# Altium PCB V1-PCB-illumination.PcbDoc (continued)
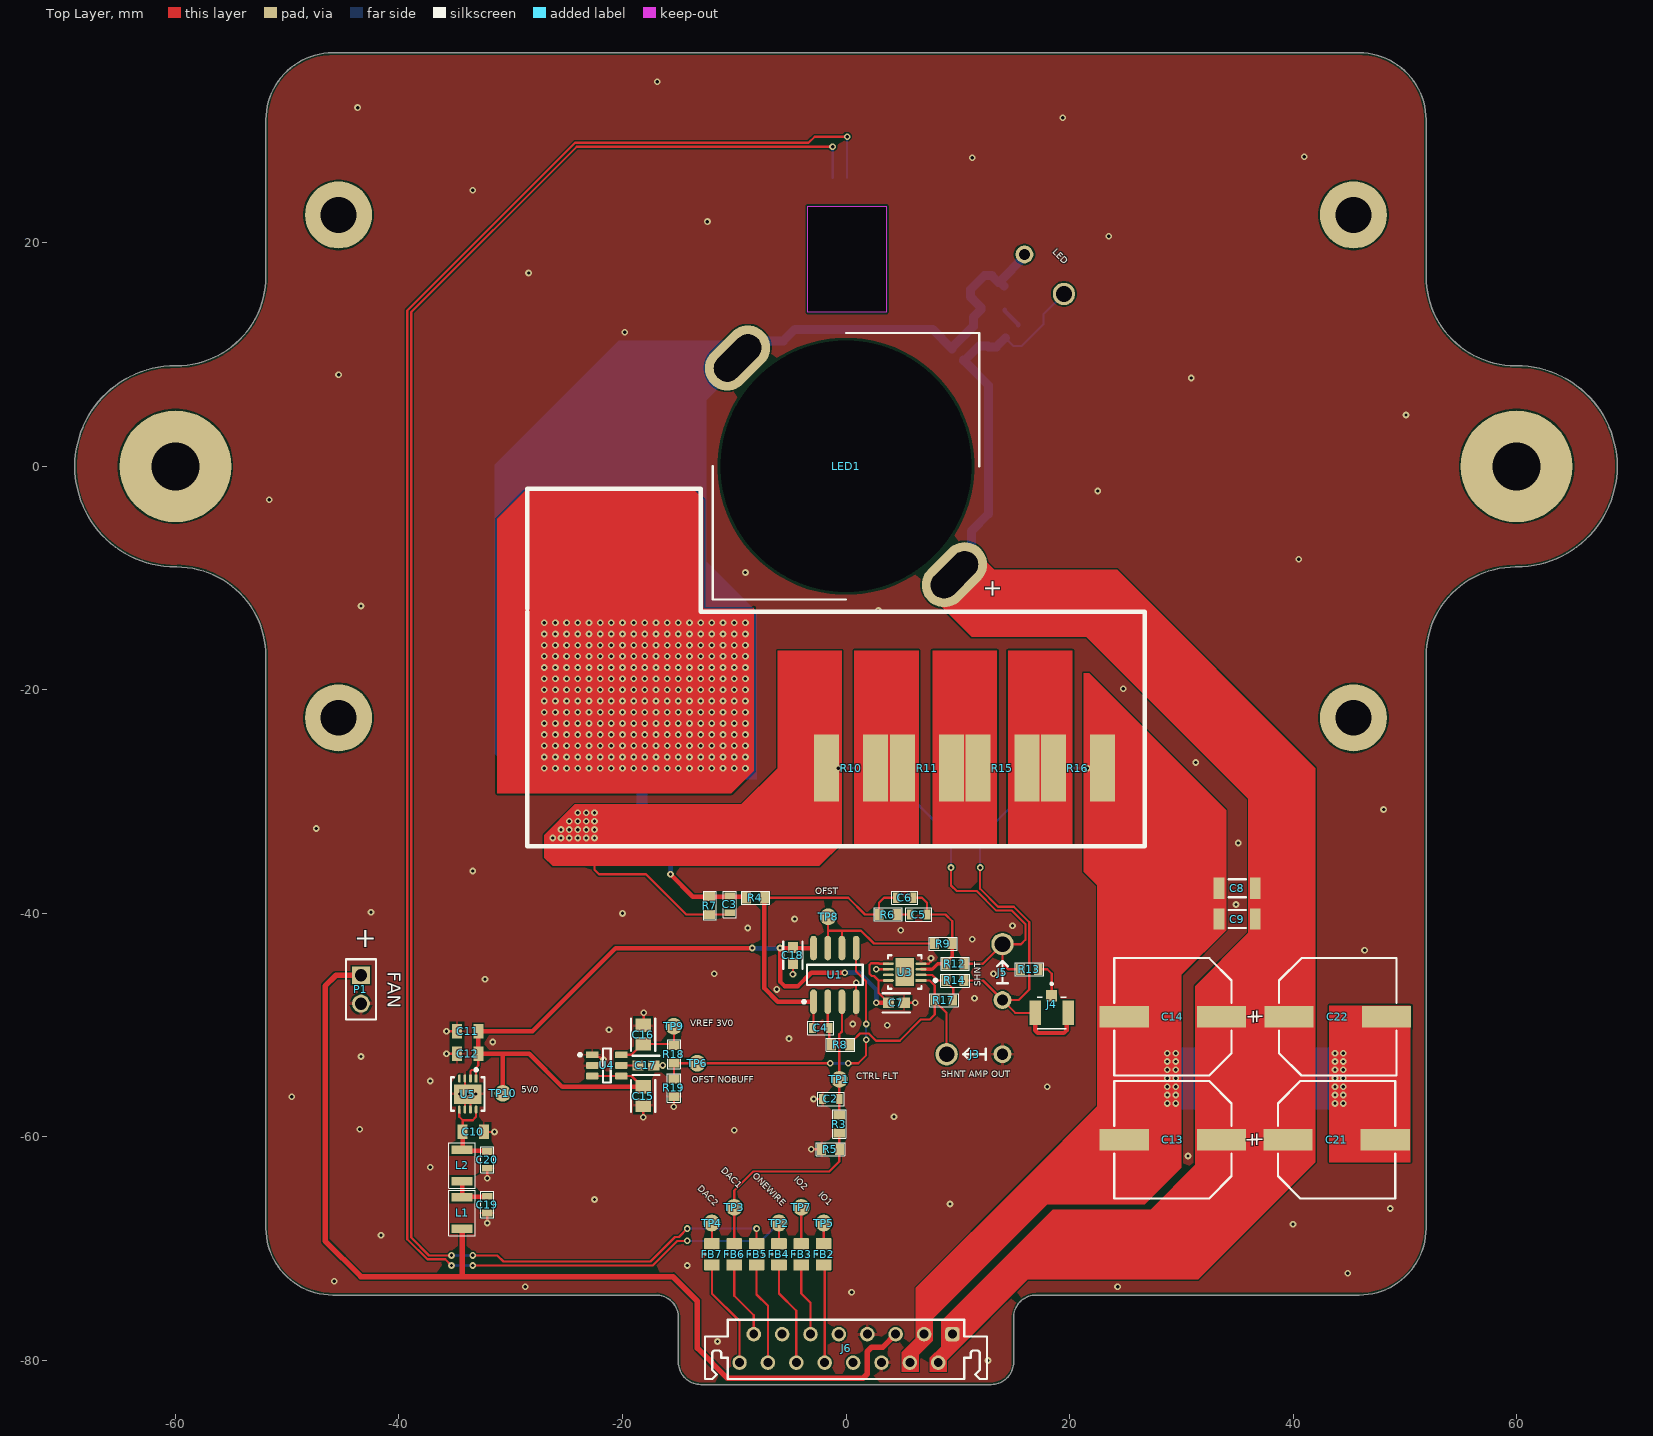
[diagram p0: Top Layer view]
## Footprints (in the part's own frame and the unit in brackets; to place one, negate y for a bottom-side part, rotate by r counter-clockwise, add the part's x,y. Pads: shape width x height; smd on the part's side, far side on the other; paste and mask are expansions set on the pad)
61300211121 [mm] "Pin Header, pitch 2.54 mm, THT, Vertical, single row, 2p"
  rect 1.6x1.6 hole 1.1: 1(-1.27,0)
  round 1.6 hole 1.1: 2(1.27,0)
  silkscreen extent -2.69,-1.35 2.69,1.35, body extent -2.54,-1.27 2.54,1.27, height 8.57
690368191672 [mm] "MiniModule Connectors, PCB Type, Female, THT, Angled, 16p"
  rrect50% 1.3x1.3 hole 0.8: 1(9.525,1.35)
  round 1.3 hole 0.8: 2(8.255,-1.19) 3(6.985,1.35) 4(5.715,-1.19) 5(4.445,1.35) 6(3.175,-1.19) 7(1.905,1.35) 8(0.635,-1.19) 9(-0.635,1.35) 10(-1.905,-1.19) 11(-3.175,1.35) 12(-4.445,-1.19) 13(-5.715,1.35) 14(-6.985,-1.19) 15(-8.255,1.35) 16(-9.525,-1.19)
  silkscreen extent -12.61,-2.65 12.61,2.65, body extent -12.46,-2.5 12.46,2.5, height 5.85
CXA2530-SolderMount [mm] "Shine-htrough-PCB mount for Cree CXA2530"
  round 0 hole 22.5 unplated paste-2539.97: HOLE(0,0)
  oval 6.6x4 hole 2.4 slot 5 at 135 deg rot 135 paste-2539.97: NEG(-9.7,-9.7) POS(9.7,9.7)
  silkscreen extent -11.93,-11.93 11.93,11.93, body extent -11.93,-11.93 11.93,11.93, height 1.25
FP-885012206095-IPC_B [mm]
  rect 1.009x0.912 smd paste+0 mask+0: 1(-0.702,0) 2(0.702,0)
  silkscreen extent -1.21,-0.86 1.21,0.86, body extent -0.8,-0.4 0.8,0.4, height 0.87
FP-885012207078-IPC_B [mm]
  rect 1.206x1.362 smd paste+0 mask+0: 1(-0.826,0) 2(0.826,0)
  silkscreen extent -1.43,-1.08 1.43,1.08, body extent -1.68,-0.93 1.68,0.93, height 0.25
FP-885012208094-IPC_B [mil]
  rect 37.59x75.05 smd paste+0 mask+0: 1(-64,0) 2(64,0)
  silkscreen extent -30,-31 30,31, body extent -93,-47 93,47, height 10
FP-CP-8-5-IPC_C [mm]
  rect 0.736x0.239 smd paste+0 mask+0: 1(-1.388,0.75)
  rrect100% 0.736x0.239 smd paste+0 mask+0: 2(-1.388,0.25) 3(-1.388,-0.25) 4(-1.388,-0.75) 5(1.388,-0.75) 6(1.388,-0.25) 7(1.388,0.25) 8(1.388,0.75)
  rect 1.74x2.48 smd paste-1000 mask+0: 9(0,0)
  silkscreen extent -2.28,-1.5 1.5,1.5, body extent -1.86,-1.6 1.86,1.6, height 0.25
FP-DBV0006A-MFG [mm]
  rrect17% 1.1x0.6 smd paste+0 mask+0: 1(-1.3,0.95) 2(-1.3,0) 3(-1.3,-0.95) 4(1.3,-0.95) 5(1.3,0) 6(1.3,0.95)
  silkscreen extent -2.52,-1.53 0.35,1.53, body extent -1.95,-1.78 1.95,1.78, height 0.25
FP-DD-8-05-08-1698-IPC_A [mm]
  rect 0.981x0.242 smd paste+0 mask+0: 1(-1.466,0.75)
  rrect100% 0.981x0.242 smd paste+0 mask+0: 2(-1.466,0.25) 3(-1.466,-0.25) 4(-1.466,-0.75) 5(1.466,-0.75) 6(1.466,-0.25) 7(1.466,0.25) 8(1.466,0.75)
  rect 1.65x2.48 smd paste-1000 mask+0: 9(0,0)
  silkscreen extent -2.88,-1.5 1.5,1.5, body extent -2.46,-2 2.46,2, height 0.25
FP-PG-TO263-3-MFG [mm]
  rect 2.08x3.81 smd paste+0 mask+0: 1(-2.54,-6.985) 3(2.54,-6.985)
  rect 11.43x8.89 smd paste+0 mask+0: 4(0,4.445)
  silkscreen extent -5.34,-3.36 5.34,-0.38, body extent -5.08,-7.66 5.08,7.59, height 5.09
FPR_0603_C_R0 [mm] "SMD Reflow"
  rect 0.6x0.9 smd: 1(-0.75,0) 2(0.75,0)
  silkscreen extent -1.18,-0.6 1.18,0.6, body extent -0.8,-0.4 0.8,0.4, height 0.32
FPR_0603_R_R0 [mm] "SMD Reflow"
  rect 0.8x1 smd: 1(-0.8,0) 2(0.8,0)
  silkscreen extent -1.28,-0.58 1.29,0.58, body extent -0.8,-0.41 0.8,0.41, height 0.47
FPR_1216_R_R0 [mil] "SMD Reflow"
  rect 30x75 smd: 1(-55,0) 2(55,0)
  silkscreen extent -80,-47 80,47, body extent -63,-32 63,31, height 40
FPR_CRF2512_R0-endToEnd [mm] "CRF2512 2W"
  rect 2.25x6 smd: 1(-2.2,0) 2(2.2,0)
  body extent -3.2,-1.6 3.2,1.6, height 0.61
LINX_CONUFL001-SMD-T [mm]
  rect 1x1.05 smd: 1(0,-1.525)
  rect 1.05x2.2 smd: 2(-1.475,0) 3(1.475,0)
  silkscreen extent -1.3,-2.7 1.3,1.42, body extent -1.5,-1.55 1.5,1.55, height 1.3
LT-S8-8_N [mm] "SOIC, 8-Leads, Body 4.9x3.9mm, Pitch 1.27mm, IPC Medium Density"
  oval 2.2x0.6 smd: 1(-2.4,1.905) 2(-2.4,0.635) 3(-2.4,-0.635) 4(-2.4,-1.905) 5(2.4,-1.905) 6(2.4,-0.635) 7(2.4,0.635) 8(2.4,1.905)
  silkscreen extent -2.52,-2.5 0.9,2.88, body extent -2,-2.5 2,2.5, height 1.76
"scope with ground spring probe point" [mm]
  round 1.6 hole 1 paste-2539.97: NEG(0,-5)
  round 2 hole 1.4 paste-2539.97: POS(0,0)
  silkscreen extent -0.5,-3.5 0.5,-1.5
SMD_0805 [mm] "Chip 2-Leads, Body 2.05x1.25mm, IPC Medium Density"
  rrect15% 1x1.4 smd: 1(-0.95,0) 2(0.95,0)
  silkscreen extent -0.05,-0.6 0.05,0.6, body extent -1.1,-0.7 1.1,0.7, height 0.8
"Test Point 1.5mm SMD" [mm] "1.5mm circle SMD test point"
  round 1.5 smd paste-2539.97: 1(0,0)
"to-92 horiyontal boardhole" [mm]
  rect 4x0.5 smd far side paste-2539.97: 1(8,-1.27) 2(8,0) 3(8,1.27)
  Keep-Out Layer board cut-out: -4,3.5 5.461,3.5 5.461,-3.5 -4,-3.5
  body extent -3.82,-2.41 14.22,2.41, height 0.59
WCAP-ASLL_D10H10.5 [mm] "Aluminium Electrolytic V-Chip SMT Capacitors, 10x10.5mm"
  rect 4.4x1.9 smd: 1(4.35,0) 2(-4.35,0)
  silkscreen extent -5.25,-5.25 5.25,5.25, body extent -5.5,-5.15 5.5,5.15, height 10.5
WCAP-CSGP_0805_L2W1.25H1.25 [mm] "Ceramic Capacitors, body 2x1.25mm"
  rect 0.9x1.3 smd: 1(-0.95,0) 2(0.95,0)
  body extent -1,-0.63 1,0.63, height 1.25

## Part data
C1 C7 C17 C18: library part CMP-207839-000004-1, "CAP CER 0.1UF 50V X7R 0603", Capacitance=100nF, Case Code (Imperial)=0603, Case Code (Metric)=1608, Dielectric=X7R, Max Operating Temperature=125°C, Min Operating Temperature=-55°C, Tolerance=10%, Voltage Rating=50V, Case/Package=0603, Length=0.063inch, Mount="Surface Mount", Packaging="Cut Tape", RoHS Compliant=Yes, Series=WCAP-CSGP, Thickness=0.037inch, Voltage Rating (DC)=50V, Width=0.031inch
C2 C3 C4 C5 C6 C19 C20: library part C, "Capacitor - generic SMD"
C8 C9: library part CMP-207839-000019-1, "CAP CER 4.7UF 50V X7R 1206", Capacitance=4.7uF, Case Code (Imperial)=1206, Case Code (Metric)=3216, Dielectric=X7R, Max Operating Temperature=125°C, Min Operating Temperature=-55°C, Tolerance=10%, Voltage Rating=50V, Case/Package=1206, Length=0.126inch, Mount="Surface Mount", Packaging="Cut Tape", RoHS Compliant=Yes, Series=WCAP-CSGP, Thickness=0.075inch, Voltage Rating (DC)=50V, Width=0.063inch
C10 C11 C12: "WCAP-CSGP Multilayer Ceramic Chip Capacitor, General Purpose, size 0805, X5R, 4.7µF, 25VDC", Capacitance=4.7µF, Capacitance Tolerance=+/-20%, Case/Size Code=0805, Insulation Resistance=0.02GΩ, Manufacturer="Wurth Elektronik", Operating Temperature Max=85°C, Operating Temperature Min=-55°C, Rated Voltage (DC)=25V, Category="Multilayer Ceramic Chip Capacitors", Ceramic Type=X5R, ComponentLink1Description="Website Link", ComponentLink1URL=https://www.we-online.com/redexpert/article/885012107018?ad, ComponentLink2Description="Datasheet Link", ComponentLink2URL=https://www.we-online.com/redexpert/spec/885012107018?ad, Dissipation Factor=10%, Height=1.25mm, Length=2mm, Manufacturer Part Number=885012107018, Match Code=WCAP-CSGP, Mount="Surface Mount", Packaging="Tape and Reel", Technical Reference=X5R0805475M025DFCT10000, Width=1.25mm
C13 C14 C21 C22: "WCAP-ASLL Aluminum Electrolytic Capacitor, V-Chip, D10 x H10.5mm, 150µF, 50V", Capacitance=150uF, Capacitance Tolerance=+/-20%, Leakage Current=75uA, Manufacturer="Wurth Elektronik", Operating Temperature Max=105°C, Operating Temperature Min=-55°C, Rated Voltage (DC)=50V, Ripple Current=555mA, Category="Aluminum Electrolytic Capacitors", ComponentLink1Description="Website Link", ComponentLink1URL=https://www.we-online.com/redexpert/article/865060657011?ad, ComponentLink2Description="Datasheet Link", ComponentLink2URL=https://www.we-online.com/redexpert/spec/865060657011?ad, Diameter=10mm, Dissipation Factor=12%, Endurance=5000h, Height=10.5mm, Manufacturer Part Number=865060657011, Match Code=WCAP-ASLL, Mount="Surface Mount", Packaging="Tape and Reel", Technical Reference=ASEF105151M050DVCTEE000
C15 C16: library part CMP-207839-000010-1, "CAP CER 1UF 25V X7R 0805", Capacitance=1uF, Case Code (Imperial)=0805, Case Code (Metric)=2012, Dielectric=X7R, Max Operating Temperature=125°C, Min Operating Temperature=-55°C, Tolerance=10%, Voltage Rating=25V, Case/Package=0805, Length=0.079inch, Mount="Surface Mount", Packaging="Cut Tape", RoHS Compliant=Yes, Series=WCAP-CSGP, Thickness=0.053inch, Voltage Rating (DC)=25V, Width=0.049inch
FB2 FB3 FB4 FB5 FB6 FB7: library part BLM21AG121SN1D, "Ferrite Bead, 0805 [2012 Metric], 120 ohm, 800 mA, BLM21A Series, 0.15 ohm, ± 25%", AC resistance=120Ω, Case=0805, DC resistance=0.15Ω, Frequency=100MHz, Manufacturer=Murata, Max current=0.2A, Category="ferite beads", Dealer=Farnell, Dealer number=1515617, HelpURL=https://www.farnell.com/datasheets/1914683.pdf, Manufacturer Number=BLM21AG121SN1D, Price=0.082, Technology=SMT
J2 J4: "U.FL (UMCC) Connector Jack, Male Pin 50Ohm Surface Mount Solder", Package=None, Availability=Unavailable, Check_prices=https://www.snapeda.com/parts/CONUFL001-SMD-T/Linx/view-part/?ref=eda, DNP=DNP, MF=Linx, MP=CONUFL001-SMD-T, Price=None, SnapEDA_Link=https://www.snapeda.com/parts/CONUFL001-SMD-T/Linx/view-part/?ref=snap
J6: "WR-MM Mini Module Connector, Female, THT, with Latch & Polarization, Angled, pitch 2.54mm, 16p", Contact Resistance=10mΩ, Insulation Resistance=1000MΩ, Manufacturer="Wurth Elektronik", Operating Temperature Max=105°C, Operating Temperature Min=-40°C, Rated Current=1.5A, Withstanding Voltage=500VAC, Working Voltage=250VAC, Category="Board-to-Board Connectors", ComponentLink1Description="Website Link", ComponentLink1URL=https://www.we-online.com/redexpert/article/690368191672?ad, ComponentLink2Description="Datasheet Link", ComponentLink2URL=https://www.we-online.com/redexpert/spec/690368191672?ad, Gender=Female, Length=24.92mm, Manufacturer Part Number=690368191672, Match Code=WR-MM, Mount="Through Hole", Number of Pins=16, Orientation=Angled, Packaging=Tube, Pitch=2.54mm
L1 L2: library part L, "Inductor - generic SMD"
LED1: library part "CREE CXA2530", "High power LED"
P1: library part CMP-1712-00002-4, "THT Vertical Pin Header WR-PHD, Pitch 2.54 mm, Single Row, 2 pins", Contact Resistance=20mOhm, Manufacturer="Wurth Elektronik", Operating Temperature=-40to105degC, Rated Current=3A, Withstanding Voltage=500VAC, Working Voltage=250VAC, Datasheet URL=https://katalog.we-online.de/em/datasheet/6130xx11121.pdf, Gender=Male, Manufacturer URL=http://www.we-online.de, Mounting Technology=THT, Orientation=Vertical, Package Reference=61300211121, Packaging=Bag, Part Number=61300211121, Pin Number=2, Pitch=2.54mm, Publisher=WurthElektronik, Row Number=Single
Q1: library part CMP-32901-000287-1, "MOSFET N-CH 55V 89A D2PAK", Case/Package=D2PAK, Continuous Drain Current (ID)=89A, Drain to Source Breakdown Voltage=55V, Drain to Source Resistance=18mR, Gate to Source Voltage (Vgs)=16V, Input Capacitance=3.6nF, Max Operating Temperature=175°C, Max Power Dissipation=3.8W, Min Operating Temperature=-55°C, Power Dissipation=170W, Contact Plating=Tin, Drain to Source Voltage (Vdss)=55V, Element Configuration=Single, Halogen Free="Halogen Free", Height=0.185inch, Lead Free="Contains Lead", Length=0.42inch, Max Dual Supply Voltage=55V, Mount="Surface Mount", Number of Pins=3, Packaging="Tape and Reel", Rds On Max=10mR, REACH SVHC="No SVHC", Rise Time=140ns, RoHS Compliant=Yes, Threshold Voltage=16V, Turn-Off Delay Time=37ns, Turn-On Delay Time=12ns, Width=0.38inch
R1 R2 R3 R4 R5 R6 R7 R8 R10 R11 R13 R15 R16: library part R, "Resistor - generic SMD"
  R1 R13: DNP=DNP
R9 R12 R14 R17 R18 R19: library part R, "Resistor - generic SMD", Tolerance="0.1% 10ppm/C"
U1: library part CMP-0359-03435-2, "Dual Channel, Zero-Drift Operational Amplifier, 3 MHz Typical GBW, 2 V/us Typical SR, 2.7 to 6 V, 8-Pin SOIC (S8-8), Commercial, Pb-Free", Linear Technology Part Number=LTC2051, Manufacturer="Linear Technology", Channels (#)=2, ComponentLink1Description="Manufacturer URL", ComponentLink1URL=http://www.linear.com/, ComponentLink2Description=Datasheet, ComponentLink2URL=http://cds.linear.com/docs/en/datasheet/20512fd.pdf, ComponentLink3Description="Package Specification", ComponentLink3URL=http://cds.linear.com/docs/en/packaging/05081610_G_SO8.pdf, DatasheetVersion="Rev. D", GBW (MHz) Typical=3, Is (mA) Typical=0.85, Mounting Technology="Surface Mount", PackageDescription="8-Pin Plastic Small Outline, Body 4.9 x 3.9 mm, Pitch 1.27 mm", PackageReference=LT-S8-8, PackageVersion="Rev G", PartNumber=LTC2051CS8#PBF, RevisionNote="URLs updated", RoHS=Pb-Free, SR (V/us) Typical=2, Type=ZD, Vos (mV) Typical=0.0005, Vs Max (V)=6, Vs Min (V)=2.7
U2: library part CMP-0253-00003-1, "Programmable Resolution Digital Thermometer, 1-Wire Interface, ±0.5°C Accuracy, 3-Pin TO92, -55°C to +125°C, Pb-Free", Code_JEDEC=TO-226-AA, ComponentLink1Description="Manufacturer URL", ComponentLink1URL=http://www.maxim-ic.com, ComponentLink2Description=Datasheet, ComponentLink2URL=http://datasheets.maxim-ic.com/en/ds/DS18B20.pdf, DatasheetVersion=2007, PackageDescription="TO-92 Package, Body Dia. 4.7mm; Leads 0.51 x 0.51 mm (max), Pb-Free", PackageReference=Q3+1, PackageVersion="revB, 2009"
U3: library part CMP-09116-000458-1, "IC CMOS 2 CIRCUIT 8DFN", Case/Package=DFN, Dual Supply Voltage=5V, Input Bias Current=1pA, Input Offset Voltage (Vos)=100uV, Max Dual Supply Voltage=5.25V, Max Operating Temperature=70°C, Max Supply Voltage=10.5V, Min Dual Supply Voltage=1.4V, Min Operating Temperature=0°C, Min Supply Voltage=2.8V, Operating Supply Current=7mA, Output Current per Channel=55mA, Package Quantity=121, Power Supply Rejection Ratio (PSRR)=75dB, Voltage Gain=127.96dB, Amplifier Type="GENERAL PURPOSE", Common Mode Rejection Ratio=74dB, Gain Bandwidth Product=50MHz, Lead Free="Lead Free", Mount="Surface Mount", Number of Circuits=2, Number of Elements=2, Number of Pins=8, Packaging=Rail/Tube, RoHS Compliant=Yes, Series=-, Slew Rate=40V/µs, Technology=CMOS, Unity Gain Bandwidth Product=50MHz
U4: library part CMP-04916-000061-1, "650-NA QUIESCENT CURRENT, 12-PPM, 3V out"
U5: library part CMP-09138-000117-1, "IC REG LINEAR 5V 500MA 8LFCSP", Dropout Voltage=350mV, Max Input Voltage=20V, Max Operating Temperature=125°C, Max Output Current=500mA, Max Output Voltage=19V, Max Supply Current=900uA, Min Current Limit=625mA, Min Input Voltage=3.3V, Min Operating Temperature=-40°C, Min Output Voltage=1.22V, Operating Supply Current=900mA, Output Voltage=5V, Package Quantity=1500, Power Supply Rejection Ratio (PSRR)=50dB, Reference Voltage=1.23V, Accuracy=0.8%, Contact Plating=Tin, Lead Free="Contains Lead", Mount="Surface Mount", Number of Outputs=1, Number of Pins=8, Number of Regulators=1, Output Current=500mA, Output Type=Fixed, Packaging="Tape and Reel", Polarity=Positive, Quiescent Current=900uA, RoHS Compliant=Yes

## Free pads (board coordinates)
  round 6 hole 3.2 paste-2539.97: MNTH1(-45.4,22.5) MNTH2(-45.4,-22.5) MNTH3(45.4,-22.5) MNTH4(45.4,22.5)
  round 10 hole 4.3 paste-2539.97: MNTL(-60,0) MNTR(60,0)

## Via types
v1: diameter 0.6, hole 0.3, Top Layer to Bottom Layer, tented both sides, 421 vias

## Nets (pads, with @x,y where several pads share a name; then routed paths per layer and width w, separated by ;. In a path a pad name is that pad's centre, name@x,y a point inside that pad or via, vN(x,y) a via of type N, cw(c..) or ccw(c..) an arc to the next point about the centre after c; other vN are vias at no path point)
+3V3-MCU-SPLY: FB5.1 U2.3 | length 163.8
  Top Layer w0.2: v1(-35.3,-70.6) -37.3,-70.6 -38.9,-69 -38.9,13.8 -24.1,28.6 v1(-1.2,28.6) ; v1(-33.4,-70.6) -31.2,-70.6 -30.65,-71.15 -17.5,-71.15 -15.3,-68.95 -14.95,-68.95 v1(-14.2,-68.2) ; FB5.1 v1(-8,-68.2)
  Bottom Layer w0.2: v1(-35.3,-70.6) v1(-33.4,-70.6) ; v1(-14.2,-68.2) v1(-8,-68.2) ; v1(-1.2,28.6) -1.185,28.585 -1.185,25.815 U2.3
+5V0-LEDDRIVER: C7.1 C11.2 C12.2 C15.1 C18.1 TP10.1 U1.8 U3.5 U3.8 U4.3 U4.4 U5.1 U5.2 | length 85.1
  Top Layer w0.2: U5.2 -33.6,-54.117 -33.483,-54 -33.1,-54 ; U5.1 -33.1,-54 ; C12.2 -32.9,-53.6 -33.1,-53.8 -33.1,-54 ; U4.3 U4.4 -19.202,-54.55 C15.1@-18.228,-55.524 ; C18.1 C18.1@-4.698,-43.1 ; C7.1@3.75,-48 3.394,-47.644 3.394,-47.596 2.9,-47.102 2.9,-46 ; U3.8 2.9,-46 ; U3.5 2.978,-44.5 2.928,-44.45 2.267,-44.45 2.1,-44.617 2.1,-45.4 2.3,-45.6 2.5,-45.6 2.9,-46
  Top Layer w0.4: TP10.1 -30.7,-52.625 -30.625,-52.55 ; C15.1 -18.228,-55.524 -25.376,-55.524 -28.35,-52.55 -30.625,-52.55 ; v1(-8.4,-43.1) -20.6,-43.1 -28.05,-50.55 C11.2 C12.2 -30.625,-52.55 ; U1.8 -4.698,-43.1 v1(-5.9,-43.1) -5.9,-46.1 -5.5,-46.5 -4.3,-46.5 -3.1,-45.3 v1(-0.1,-45.3) ; v1(2.7,-48) 3.75,-48 C7.1
  Bottom Layer w0.4: v1(-8.4,-43.1) v1(-5.9,-43.1) ; v1(-0.1,-45.3) 1.2,-45.3 2.7,-46.8 v1(2.7,-48)
+12V0-NOFILTER: J6.5 L1.1 P1.1 | length 92.1
  Top Layer w0.5: P1.1 -45.63,-45.53 -46.6,-46.5 -46.6,-69.3 -43.4,-72.5 -34.35,-72.5 ; L1.1 -34.35,-72.5 ; J6.5 3.295,-78.8 2.3,-78.8 1.9,-79.2 1.9,-81.2 1.5,-81.6 -10.6,-81.6 -13.3,-78.9 -13.3,-74.7 -15.5,-72.5 -34.35,-72.5
+MAIN-PWR-IN: C1.1 C8.1 C9.1 C13.1 C14.1 C21.1 C22.1 J1.POS J6.1 J6.2 LED1.POS R1.2 R2.2 | length 34
  Bottom Layer w0.2: R1.2 14.969,10.775 15.725,10.775 17.675,12.725 17.675,13.6 J1.POS
  Bottom Layer w0.8: LED1.POS 11.232,-8.168 11.232,-5.768 12.75,-4.25 12.75,7.25 C1.1@10.526,9.474 ; C1.1 C1.1@10.526,9.474 ; R1.2 13.459,10.684 12.757,10.684 12.686,10.755 11.886,10.755 R2.2 10.605,9.474 C1.1@10.526,9.474
GND: C2.2 C7.2 C10.1 C11.1 C12.1 C15.2 C16.2 C17.2 C18.2 C19.1 C20.1 J3.NEG J6.6 J6.7 P1.2 R5.1 R19.2 U1.4 U2.1 U3.4 U3.6 U4.1 U4.2 U5.3 U5.6 U5.7 U5.9 | length 24.6
  Top Layer w0.2: v1(-35.75,-52.55) C12.1 ; v1(-35.75,-50.55) C11.1 ; v1(-34.562,-56.162) v1(-33.85,-56.162) ; U5.6 -34.1,-56.412 v1(-33.85,-56.162) ; U5.3 -34.1,-55.912 v1(-33.85,-56.162) ; U5.7 -33.6,-56.412 v1(-33.85,-56.162) ; v1(-33.138,-56.162) v1(-33.85,-56.162) ; C10.1 v1(-31.45,-59.55) ; v1(-32.1,-67.7) C19.1 ; v1(-32.1,-63.7) C20.1 ; U4.2 -22.5,-53.4 -22,-53.4 v1(-21.7,-53.1) -21.808,-53.1 -22.058,-52.85 -22.5,-52.85 U4.1 ; v1(-18.15,-58.25) C15.2 ; C16.2 -18.1,-49.974 v1(-18.1,-48.9) ; C17.2 v1(-16.4,-53.6) ; v1(-15.4,-57.3) R19.2 ; v1(-4.75,-45.45) C18.2 ; v1(-3.1,-61.1) R5.1 ; v1(-2.9,-56.6) C2.2 ; U1.4 v1(0.905,-46.205) ; v1(2.7,-45) U3.6 ; C7.2 v1(6.2,-48) ; U3.4 7.4,-44.5 7.6,-44.3 v1(7.6,-44)
  other v1: 12.7,-80 -11.5,-78.3 0.5,-73.9 -28.7,-73.4 24.3,-73.4 -45.8,-72.9 44.9,-72.2 -14.2,-71.5 -41.6,-68.8 40,-67.8 48.7,-66.4 9.3,-66 -22.5,-65.6 -37.2,-62.7 30.6,-61.7 -10,-59.4 -43.5,-59.3 4.3,-58.2 -49.6,-56.4 18,-55.5 -37.2,-55 -43.4,-52.8 -31.6,-51.5 -5.1,-51.2 -21.2,-50.4 3.7,-50 0.6,-49.9 11.5,-47.6 -6.2,-46.8 -32.3,-45.9 -11.8,-45.4 13.2,-45.4 46.4,-43.3 11.3,-42.3 4.9,-41.5 -8.8,-41.3 14.9,-41.1 -4.6,-40.5 -20,-40 -42.5,-39.9 34.9,-39.2 -33.4,-36.2 35.1,-33.7 -47.4,-32.4 48.1,-30.7 31.3,-26.5 24.8,-19.9 2.9,-12.9 -43.4,-12.5 -9,-9.5 40.5,-8.3 -51.6,-3 22.525,-2.2 50.1,4.6 30.9,7.9 -45.4,8.2 -19.8,12 -28.4,17.3 23.5,20.6 -12.4,21.9 -33.4,24.7 11.3,27.6 41,27.7 19.4,31.2 -43.7,32.1 -16.9,34.4
LEDDRV-DAC-CTRL-1: FB6.2 R3.2 R5.2 TP3.1 | length 17.8
  Top Layer w0.2: FB6.2 TP3.1 -10,-64.8 -8.3,-63.1 -1.5,-63.1 -0.6,-62.2 R5.2 R3.2
LEDDRV-DAC-CTRL-2: FB7.1 TP4.1 | length 1.9
  Top Layer w0.2: FB7.1 TP4.1
LEDDRV-GPIO-1: FB2.1 TP5.1 | length 1.9
  Top Layer w0.2: FB2.1 TP5.1
LEDDRV-GPIO-2: FB3.2 TP7.1 | length 3.3
  Top Layer w0.2: FB3.2 TP7.1
NetC1_2: C1.2 J1.NEG J2.2 J2.3 LED1.NEG Q1.4 R2.1 | length 54
  Bottom Layer w0.8: v1(-18,-27) v1(-18,-26) v1(-18,-25) v1(-18,-24) v1(-18,-23) v1(-18,-22) v1(-18,-21) ; LED1.NEG -8.168,11.232 -5.598,11.232 -4.579,12.25 7.75,12.25 C1.2@9.474,10.526 ; C1.2 C1.2@9.474,10.526 ; J2.2@13.841,16.621 15.964,18.744 J1.NEG ; J2.2 13.841,16.444 13.664,16.444 13.048,17.06 12.385,17.06 11.156,15.831 11.156,15.169 11.354,14.971 11.354,14.936 12.075,14.215 12.075,14.025 11.4,13.35 11.4,12.531 R2.1 9.474,10.605 C1.2@9.474,10.526
  Bottom Layer w1: -18.25,-34 Q1.4
  Bottom Layer w1.2: v1(-18,-27) v1@-17.85,-27.15
  other v1: -27,-27 -26,-27 -25,-27 -24,-27 -23,-27 -22,-27 -21,-27 -20,-27 -19,-27 -17,-27 -16,-27 -15,-27 -14,-27 -13,-27 -12,-27 -11,-27 -10,-27 -9,-27 -27,-26 -26,-26 -25,-26 -24,-26 -23,-26 -22,-26 -21,-26 -20,-26 -19,-26 -17,-26 -16,-26 -15,-26 -14,-26 -13,-26 -12,-26 -11,-26 -10,-26 -9,-26 -27,-25 -26,-25 -25,-25 -24,-25 -23,-25 -22,-25 -21,-25 -20,-25 -19,-25 -17,-25 -16,-25 -15,-25 -14,-25 -13,-25 -12,-25 -11,-25 -10,-25 -9,-25 -27,-24 -26,-24 -25,-24 -24,-24 -23,-24 -22,-24 -21,-24 -20,-24 -19,-24 -17,-24 -16,-24 -15,-24 -14,-24 -13,-24 -12,-24 -11,-24 -10,-24 -9,-24 -27,-23 -26,-23 -25,-23 -24,-23 -23,-23 -22,-23 -21,-23 -20,-23 -19,-23 -17,-23 -16,-23 -15,-23 -14,-23 -13,-23 -12,-23 -11,-23 -10,-23 -9,-23 -27,-22 -26,-22 -25,-22 -24,-22 -23,-22 -22,-22 -21,-22 -20,-22 -19,-22 -17,-22 -16,-22 -15,-22 -14,-22 -13,-22 -12,-22 -11,-22 -10,-22 -9,-22 -27,-21 -26,-21 -25,-21 -24,-21 -23,-21 -22,-21 -21,-21 -20,-21 -19,-21 -17,-21 -16,-21 -15,-21 -14,-21 -13,-21 -12,-21 -11,-21 -10,-21 -9,-21 -27,-20 -26,-20 -25,-20 -24,-20 -23,-20 -22,-20 -21,-20 -20,-20 -19,-20 -18,-20 -17,-20 -16,-20 -15,-20 -14,-20 -13,-20 -12,-20 -11,-20 -10,-20 -9,-20 -27,-19 -26,-19 -25,-19 -24,-19 -23,-19 -22,-19 -21,-19 -20,-19 -19,-19 -18,-19 -17,-19 -16,-19 -15,-19 -14,-19 -13,-19 -12,-19 -11,-19 -10,-19 -9,-19 -27,-18 -26,-18 -25,-18 -24,-18 -23,-18 -22,-18 -21,-18 -20,-18 -19,-18 -18,-18 -17,-18 -16,-18 -15,-18 -14,-18 -13,-18 -12,-18 -11,-18 -10,-18 -9,-18 -27,-17 -26,-17 -25,-17 -24,-17 -23,-17 -22,-17 -21,-17 -20,-17 -19,-17 -18,-17 -17,-17 -16,-17 -15,-17 -14,-17 -13,-17 -12,-17 -11,-17 -10,-17 -9,-17 -27,-16 -26,-16 -25,-16 -24,-16 -23,-16 -22,-16 -21,-16 -20,-16 -19,-16 -18,-16 -17,-16 -16,-16 -15,-16 -14,-16 -13,-16 -12,-16 -11,-16 -10,-16 -9,-16 -27,-15 -26,-15 -25,-15 -24,-15 -23,-15 -22,-15 -21,-15 -20,-15 -19,-15 -18,-15 -17,-15 -16,-15 -15,-15 -14,-15 -13,-15 -12,-15 -11,-15 -10,-15 -9,-15 -27,-14 -26,-14 -25,-14 -24,-14 -23,-14 -22,-14 -21,-14 -20,-14 -19,-14 -18,-14 -17,-14 -16,-14 -15,-14 -14,-14 -13,-14 -12,-14 -11,-14 -10,-14 -9,-14
NetC2_1: C2.1 R3.1 TP1.1 U1.3 | length 10.2
  Top Layer w0.2: R3.1 C2.1 TP1.1 -0.6,-50.8 -0.365,-50.565 U1.3
NetC3_1: C3.1 J5.POS Q1.3 R7.1 R10.2 R12.1 R13.2 | length 53.1
  Top Layer w0.2: v1(-22.5,-33.25) -22.5,-36.1 -22.1,-36.5 -17.9,-36.5 -14.3,-40.1 R7.1 -10.55,-40.1 C3.1 ; v1(9.4,-35.9) 9.4,-37.5 9.9,-38 11.705,-38 13.455,-39.75 14.855,-39.75 16.05,-40.945 16.05,-42.35 15.65,-42.75 J5.POS ; R12.1 12.25,-44.5 J5.POS ; R13.2 14.5,-45 14,-44.5 J5.POS
  Bottom Layer w0.2: v1(-0.7,-27) 3.2,-27 9.4,-33.2 v1(9.4,-35.9)
  other v1: -26.25,-33.25 -25.5,-33.25 -24.75,-33.25 -24,-33.25 -23.25,-33.25 -25.5,-32.5 -24.75,-32.5 -24,-32.5 -23.25,-32.5 -22.5,-32.5 -24.75,-31.75 -24,-31.75 -23.25,-31.75 -22.5,-31.75 -24,-31 -23.25,-31 -22.5,-31
NetC3_2: C3.2 Q1.1 R4.2 R7.2 | length 11.7
  Top Layer w0.2: C3.2@-10.5,-38.5 -10.45,-38.45 C3.2 ; R4.2@-9,-38.5 R4.2
  Top Layer w0.4: v1(-15.7,-36.5) -13.7,-38.5 R7.2 C3.2@-10.5,-38.5 ; C3.2@-10.4,-38.5 R4.2@-9,-38.5
  Bottom Layer w0.2: Q1.1 Q1.1@-15.7,-32.495
  Bottom Layer w0.4: v1(-15.7,-36.5) Q1.1@-15.7,-32.495
NetC4_1: C4.1 C6.1 R4.1 R6.2 U1.1 | length 29
  Top Layer w0.2: R4.1 0.2,-38.6 1.7,-40.1 2,-40.1 R6.2 2.95,-39.05 3.4,-38.6 C6.1 ; C4.1 -2.905,-50.155 U1.1
  Top Layer w0.4: R4.1 -7.3,-46.7 -6.1,-47.9 U1.1
NetC4_2: C4.2 R8.2 U1.2 | length 4
  Top Layer w0.2: U1.2 -1.635,-50.115 C4.2 -1.5,-51.55 R8.2
NetC5_1: C5.1 R6.1 | length 1.2
  Top Layer w0.2: R6.1 C5.1
NetC5_2: C5.2 C6.2 R9.1 R12.2 U3.3 | length 11.5
  Top Layer w0.2: C6.2 6.8,-38.6 7.25,-39.05 C5.2 8.9,-40.1 9.5,-40.7 R9.1
  Top Layer w0.3: U3.3 7.7,-45 8.2,-44.5 R12.2 8.95,-44.4 9.5,-43.85 R9.1
NetC10_2: C10.2 C20.2 L2.2 U5.5 U5.8 | length 8
  Top Layer w0.2: U5.5 -34.6,-58.2 -34.3,-58.5 ; C10.2 -34.3,-58.5 ; U5.8 -33.1,-58.2 -33.4,-58.5 -34.3,-58.5
  Top Layer w0.4: C10.2 -34.3,-61.103 L2.2 -34.276,-61.226 -32.173,-61.226 C20.2
NetC17_1: C17.1 U4.5 | length 1.5
  Top Layer w0.2: U4.5 C17.1
NetC19_2: C19.2 L1.2 L2.1 | length 3.7
  Top Layer w0.4: L2.1 L1.2 -34.298,-65.351 -32.151,-65.351 C19.2
NetFB2_2: FB2.2 J6.10 | length 8.8
  Top Layer w0.2: FB2.2 -1.905,-71.545 J6.10
NetFB3_1: FB3.1 J6.11 | length 6.5
  Top Layer w0.2: FB3.1 -4,-74 -3.175,-74.825 J6.11
NetFB4_2: FB4.2 J6.12 | length 9.4
  Top Layer w0.2: FB4.2 -6,-74 -4.445,-75.555 J6.12
NetFB5_2: FB5.2 J6.14 | length 9.2
  Top Layer w0.2: FB5.2 -8,-74.1 -6.985,-75.115 J6.14
NetFB6_1: FB6.1 J6.15 | length 6.9
  Top Layer w0.2: FB6.1 -10,-74.2 -8.255,-75.945 J6.15
NetFB7_2: FB7.2 J6.16 | length 9.8
  Top Layer w0.2: FB7.2 -12,-74 -9.525,-76.475 J6.16
NetJ2_1: J2.1 R1.1 | length 1.9
  Bottom Layer w0.4: J2.1 14.196,13.907 15.391,12.712 R1.1
NetJ3_POS: J3.POS R8.1 R17.1 U3.1 | length 18.6
  Top Layer w0.2: R8.1 0.3,-51.65 0.6,-51.35 0.65,-51.35 1.25,-50.75 2.028,-50.75 2.678,-51.4 4.8,-51.4 6.7,-49.5 7.5,-49.5 7.95,-49.05 R17.1@7.95,-47.85 ; U3.1 7.5,-46 7.95,-46.45 R17.1 R17.1@7.95,-47.85 ; J3.POS 9,-48.9 R17.1@7.95,-47.85
NetJ4_1: J4.1 R13.1 | length 3.3
  Top Layer w0.2: R13.1 18,-45 18.4,-45.4 J4.1
NetR10_1: R10.1 R11.2
NetR11_1: R11.1 R15.2
NetR14_1: R14.1 R17.2 U3.2 | length 4.5
  Top Layer w0.2: U3.2 7.7,-45.5 8.2,-46 R14.1 8.95,-46.1 9.6,-46.75 9.6,-47.7 R17.2
NetR15_1: R15.1 R16.2
NetR18_2: R18.2 R19.1 TP6.1 U1.5 | length 28.9
  Top Layer w0.2: R19.1 R18.2 TP6.1 v1(-1.4,-53.4) ; v1(0.2,-53.4) 1.1,-53.4 1.8,-52.7 v1(1.8,-51.3) ; U1.5 0.905,-45.205 1.8,-46.1 v1(1.8,-49.9)
  Bottom Layer w0.2: v1(-1.4,-53.4) v1(0.2,-53.4) ; v1(1.8,-51.3) v1(1.8,-49.9)
PWRGND: C8.2 C9.2 C13.2 C14.2 C21.2 C22.2 J4.2 J4.3 J5.NEG J6.3 J6.4 R14.2 R16.1 | length 45
  Top Layer w0.2: R14.2 12.25,-46 J5.NEG ; v1(12,-35.9) 12,-37.8 13.6,-39.4 15,-39.4 16.4,-40.8 16.4,-46.8 15.45,-47.75 J5.NEG ; J4.3 15.15,-48.9 J5.NEG
  Top Layer w0.4: J4.3 16.925,-50.466 17.159,-50.7 19.5,-50.7 19.734,-50.466 19.734,-49.041 J4.2
  Bottom Layer w0.2: v1(12,-35.9) 12,-33.2 18.2,-27 v1(21.6,-27)
  other v1: 28.75,-57 29.5,-57 43.75,-57 44.5,-57 28.75,-56.25 29.5,-56.25 43.75,-56.25 44.5,-56.25 28.75,-55.5 29.5,-55.5 43.75,-55.5 44.5,-55.5 28.75,-54.75 29.5,-54.75 43.75,-54.75 44.5,-54.75 28.75,-54 29.5,-54 43.75,-54 44.5,-54 28.75,-53.25 29.5,-53.25 43.75,-53.25 44.5,-53.25 28.75,-52.5 29.5,-52.5 43.75,-52.5 44.5,-52.5
TEMP-SNS-ONEWIRE: FB4.1 TP2.1 U2.2 | length 170.2
  Top Layer w0.2: v1(-35.3,-71.5) -35.85,-70.95 -37.445,-70.95 -39.25,-69.145 -39.25,13.945 -24.245,28.95 -3.35,28.95 -2.8,29.5 v1(0.1,29.5) ; v1(-33.4,-71.5) -17.3,-71.5 -15.1,-69.3 v1(-14.2,-69.3) ; FB4.1 v1(-6,-67.7)
  Bottom Layer w0.2: v1(-35.3,-71.5) v1(-33.4,-71.5) ; v1(-14.2,-69.3) -7.6,-69.3 v1(-6,-67.7) ; U2.2 v1(0.1,29.5)
V-SHUNT-AMP-OFFSET: R9.2 TP8.1 U1.6 U1.7 | length 14.4
  Top Layer w0.2: U1.7 -1.618,-43.082 -1.618,-41.55 ; TP8.1 -1.618,-40.318 -1.618,-41.55 ; U1.6 -0.365,-41.585 -0.4,-41.55 ; R9.2 2.5,-42.7 1.35,-41.55 -0.4,-41.55 ; -1.618,-41.55 -0.4,-41.55
VREF: C16.1 R18.1 TP9.1 U4.6 | length 6.9
  Top Layer w0.2: U4.6 -19.202,-52.65 -18.228,-51.676 C16.1 -15.524,-51.676 R18.1 TP9.1
pads on no net: J6.8 J6.9 J6.13 LED1.HOLE U3.7 U3.9 U5.4

## Polygon pours and split planes (outlines as drawn)
GND on Bottom Layer "bot gnd pour" (solid, remove dead copper, pour order 0): -51.9,-68.15 ccw(c-45.9,-68.15) -45.9,-74.15 -17,-74.15 cw(c-17,-76.15) -15,-76.15 -15,-80.15 ccw(c-13,-80.15) -13,-82.15 13,-82.15 ccw(c13,-80.15) 15,-80.15 15,-76.15 cw(c17,-76.15) 17,-74.15 45.9,-74.15 ccw(c45.9,-68.15) 51.9,-68.15 51.9,-17 cw(c59.9,-17) 59.9,-9 60,-9 ccw(c60,0) 60,9 59.9,9 cw(c59.9,17) 51.9,17 51.9,31 ccw(c45.9,31) 45.9,37 -45.9,37 ccw(c-45.9,31) -51.9,31 -51.9,17 cw(c-59.9,17) -59.9,9 -60,9 ccw(c-60,0) -60,-9 -59.9,-9 cw(c-59.9,-17) -51.9,-17
GND on Top Layer "top gnd pour" (solid, remove dead copper, pour order 1): -51.9,-68.15 ccw(c-45.9,-68.15) -45.9,-74.15 -17,-74.15 cw(c-17,-76.15) -15,-76.15 -15,-80.15 ccw(c-13,-80.15) -13,-82.15 13,-82.15 ccw(c13,-80.15) 15,-80.15 15,-76.15 cw(c17,-76.15) 17,-74.15 45.9,-74.15 ccw(c45.9,-68.15) 51.9,-68.15 51.9,-17 cw(c59.9,-17) 59.9,-9 60,-9 ccw(c60,0) 60,9 59.9,9 cw(c59.9,17) 51.9,17 51.9,31 ccw(c45.9,31) 45.9,37 -45.9,37 ccw(c-45.9,31) -51.9,31 -51.9,17 cw(c-59.9,17) -59.9,9 -60,9 ccw(c-60,0) -60,-9 -59.9,-9 cw(c-59.9,-17) -51.9,-17

## Other copper
Top Layer:
  region net NetC3_1: -27,-35 -26.25,-35.75 -2.375,-35.75 -0.375,-33.75 -0.375,-16.5 -6.125,-16.5 -6.125,-27.025 -9.35,-30.25 -24.25,-30.25 -27,-33
  region net NetC1_2: -10.25,-29.25 -8.25,-27.25 -8.25,-12.65 -8.35,-12.75 -12.75,-12.75 -12.75,-3 -13.5,-2.25 -28.75,-2.25 -31.2,-4.7 -31.2,-29.25 -25,-29.25
  region net PWRGND: 30,-48.25 30,-45.5 34,-41.5 34,-30.75 21.75,-18.5 21.25,-18.5 21.25,-36.25 22.5,-37.5 22.5,-48.25
  region net NetC3_1: -0.375,-33.75 -6.125,-33.75 -6.125,-16.5 -0.375,-16.5
  region net NetR10_1: 6.5,-33.75 0.75,-33.75 0.75,-16.5 6.5,-16.5
  region net NetR11_1: 13.5,-33.75 7.75,-33.75 7.75,-16.5 13.5,-16.5
  region net NetR15_1: 20.25,-33.75 14.5,-33.75 14.5,-16.5 20.25,-16.5
  region net +MAIN-PWR-IN: 31.25,-48.25 31.25,-46.5 36,-41.75 36,-29.75 21.5,-15.25 11.25,-15.25 9.5,-13.5 7.75,-11.75 11.75,-7.75 13.25,-9.25 24.25,-9.25 42,-27 42,-48.25
  region net PWRGND: 43.25,-48.25 43.25,-62.25 50.5,-62.25 50.5,-48.25
  region net PWRGND: 6.5,-81 6.5,-79.5 7.75,-78.25 7.75,-76.25 18,-66 26.75,-66 30,-62.75 30,-48.25 22.5,-48.25 22.5,-57.25 16.25,-63.5 6.25,-73.5 6.25,-78 5,-79.25 5,-81
  region net +MAIN-PWR-IN: 31.25,-48.25 31.25,-62.5 27.25,-66.5 18.5,-66.5 8.5,-76.5 8.5,-78.75 7.5,-79.75 7.5,-81 9,-81 9,-80 11.75,-77.25 14,-75 16.25,-72.75 31.5,-72.75 42,-62.25 42,-48.25
Bottom Layer:
  region net NetC3_1: -19,-30.25 -24.25,-30.25 -27,-33 -27,-34.5 -19,-34.5
  region net NetC1_2: -29.15,-28 -31.425,-25.725 -31.425,0.15 -20.325,11.25 -7.15,11.25 -12.5,5.9 -12.5,-8.5 -8,-13 -8,-28
  region net NetC1_2: -8,-28 -28,-28 -28,-13 -8,-13
  region net PWRGND: 28.25,-52 45,-52 45,-57.5 28.25,-57.5

## Silkscreen, mask and mechanical layers (free items; w line width, h text height)
Top Overlay:
  lines w0.4: -28.5,-13 -28.5,-34 26.75,-34 26.75,-13 -13,-13 -13,-2 -28.5,-2 -28.5,-12.75
  text "LED" at 18.274,18.975 h1 r315
  text "OFST" at -2.75,-38.516 h1
  text "+" at -44,-43.594 h3
  text "FAN" at -41.4,-45.2 h2 r270
  text "SHNT" at 12.291,-46.5 h1 r90
  text "VREF 3V0" at -13.925,-50.316 h1
  text "SHNT AMP OUT" at 8.5,-54.891 h1
  text "CTRL FLT" at 0.9,-55.066 h1
  text "OFST NOBUFF" at -13.8,-55.391 h1
  text "5V0" at -29.075,-56.291 h1
  text "DAC1" at -11.37,-63.194 h1 r315
  text "ONEWIRE" at -8.57,-63.694 h1 r315
  text "IO2" at -4.87,-63.994 h1 r315
  text "DAC2" at -13.47,-64.794 h1 r315
  text "IO1" at -2.67,-65.394 h1 r315
Bottom Overlay:
  text "LightSoak Illumination Board V1" at 18.9,33.148 h3
  text "WARNING: BRIGHT AF" at -13.64,-8.24 h0.8 r270
  text "Matej Planinsek" at 43,-71.102 h2
Top Solder:
  region: 25.6,-22.8 25.6,-23.2 21.6,-23.2 21.6,-19.5 22.3,-19.5
  region: 25.9,-33.5 21.5,-33.5 21.5,-30.7 25.9,-30.7
  region: -0.6,-33.5 -5.8,-33.5 -5.8,-30.7 -0.6,-30.7
  region: 20,-33.5 14.8,-33.5 14.8,-30.7 20,-30.7
  region: 13.2,-33.5 8,-33.5 8,-30.7 13.2,-30.7
  region: 6.2,-33.5 1,-33.5 1,-30.7 6.2,-30.7
  region: 14.7,-16.9 20,-16.9 20,-23.2 14.7,-23.2
  region: 8,-16.8 13.3,-16.8 13.3,-23.1 8,-23.1
  region: 1,-16.8 6.3,-16.8 6.3,-23.1 1,-23.1
  region: -5.9,-16.8 -0.6,-16.8 -0.6,-23.1 -5.9,-23.1
  region: -8.25,-13.25 -13.25,-13.25 -13.25,-3.75 -28.25,-3.75 -28.25,-29.25 -10.25,-29.25 -8.25,-27.25
Bottom Solder:
  region: 5.2,18.9 9,18.9 9,14.1 8.9,14 5.2,14
  region: -5.3,19 -39.1,19 -39.1,14.1 -5.3,14.1
Mechanical 69:
  circle w0.069: c45.4,-22.5 r1.6
  circle w0.069: c60,0 r2.15
  circle w0.069: c45.4,22.5 r1.6
  circle w0.069: c-60,0 r2.15
  circle w0.069: c-45.4,-22.5 r1.6
  circle w0.069: c-45.4,22.5 r1.6
  lines w0.069: -60,-9 cw(c-60,0) -60,9 -59.9,9 ccw(c-59.9,17) -51.9,17 -51.9,31 cw(c-45.9,31) -45.9,37 45.9,37 cw(c45.9,31) 51.9,31 51.9,17 ccw(c59.9,17) 59.9,9 60,9 cw(c60,0) 60,-9 59.9,-9 ccw(c59.9,-17) 51.9,-17 51.9,-68.15 cw(c45.9,-68.15) 45.9,-74.15 17,-74.15 ccw(c17,-76.15) 15,-76.15 15,-80.15 cw(c13,-80.15) 13,-82.15 -13,-82.15 cw(c-13,-80.15) -15,-80.15 -15,-76.15 ccw(c-17,-76.15) -17,-74.15 -45.9,-74.15 cw(c-45.9,-68.15) -51.9,-68.15 -51.9,-17 ccw(c-59.9,-17) -59.9,-9 -60,-9
Board Shape:
  lines w0.1: -60,-9 cw(c-60,0) -60,9 -59.9,9 ccw(c-59.9,17) -51.9,17 -51.9,31 cw(c-45.9,31) -45.9,37 45.9,37 cw(c45.9,31) 51.9,31 51.9,17 ccw(c59.9,17) 59.9,9 60,9 cw(c60,0) 60,-9 59.9,-9 ccw(c59.9,-17) 51.9,-17 51.9,-68.15 cw(c45.9,-68.15) 45.9,-74.15 17,-74.15 ccw(c17,-76.15) 15,-76.15 15,-80.15 cw(c13,-80.15) 13,-82.15 -13,-82.15 cw(c-13,-80.15) -15,-80.15 -15,-76.15 ccw(c-17,-76.15) -17,-74.15 -45.9,-74.15 cw(c-45.9,-68.15) -51.9,-68.15 -51.9,-17 ccw(c-59.9,-17) -59.9,-9 -60,-9 ; -3.4,13.8 3.6,13.8 3.6,23.261 -3.4,23.261 -3.4,13.8
CUTOUT:
  lines w0.1: -3.4,13.8 -3.4,23.261 3.6,23.261 3.6,13.8 -3.4,13.8

## Text inside footprints (layer, text, board x,y; h text height)
C13: Top Overlay "+" at 36.1,-60.75 h1.22
C14: Top Overlay "+" at 36.1,-49.75 h1.22
C21: Top Overlay "+" at 37.05,-59.75 h1.22 r180
C22: Top Overlay "+" at 37.15,-48.75 h1.22 r180
LED1: Top Overlay "+" at 12.45,-11.8 h1.5 r270; Bottom Overlay "+" at 10.45,-5.8 h1.5 r270